# KiCad board Lime_RFE_fab.kicad_pcb (continued)
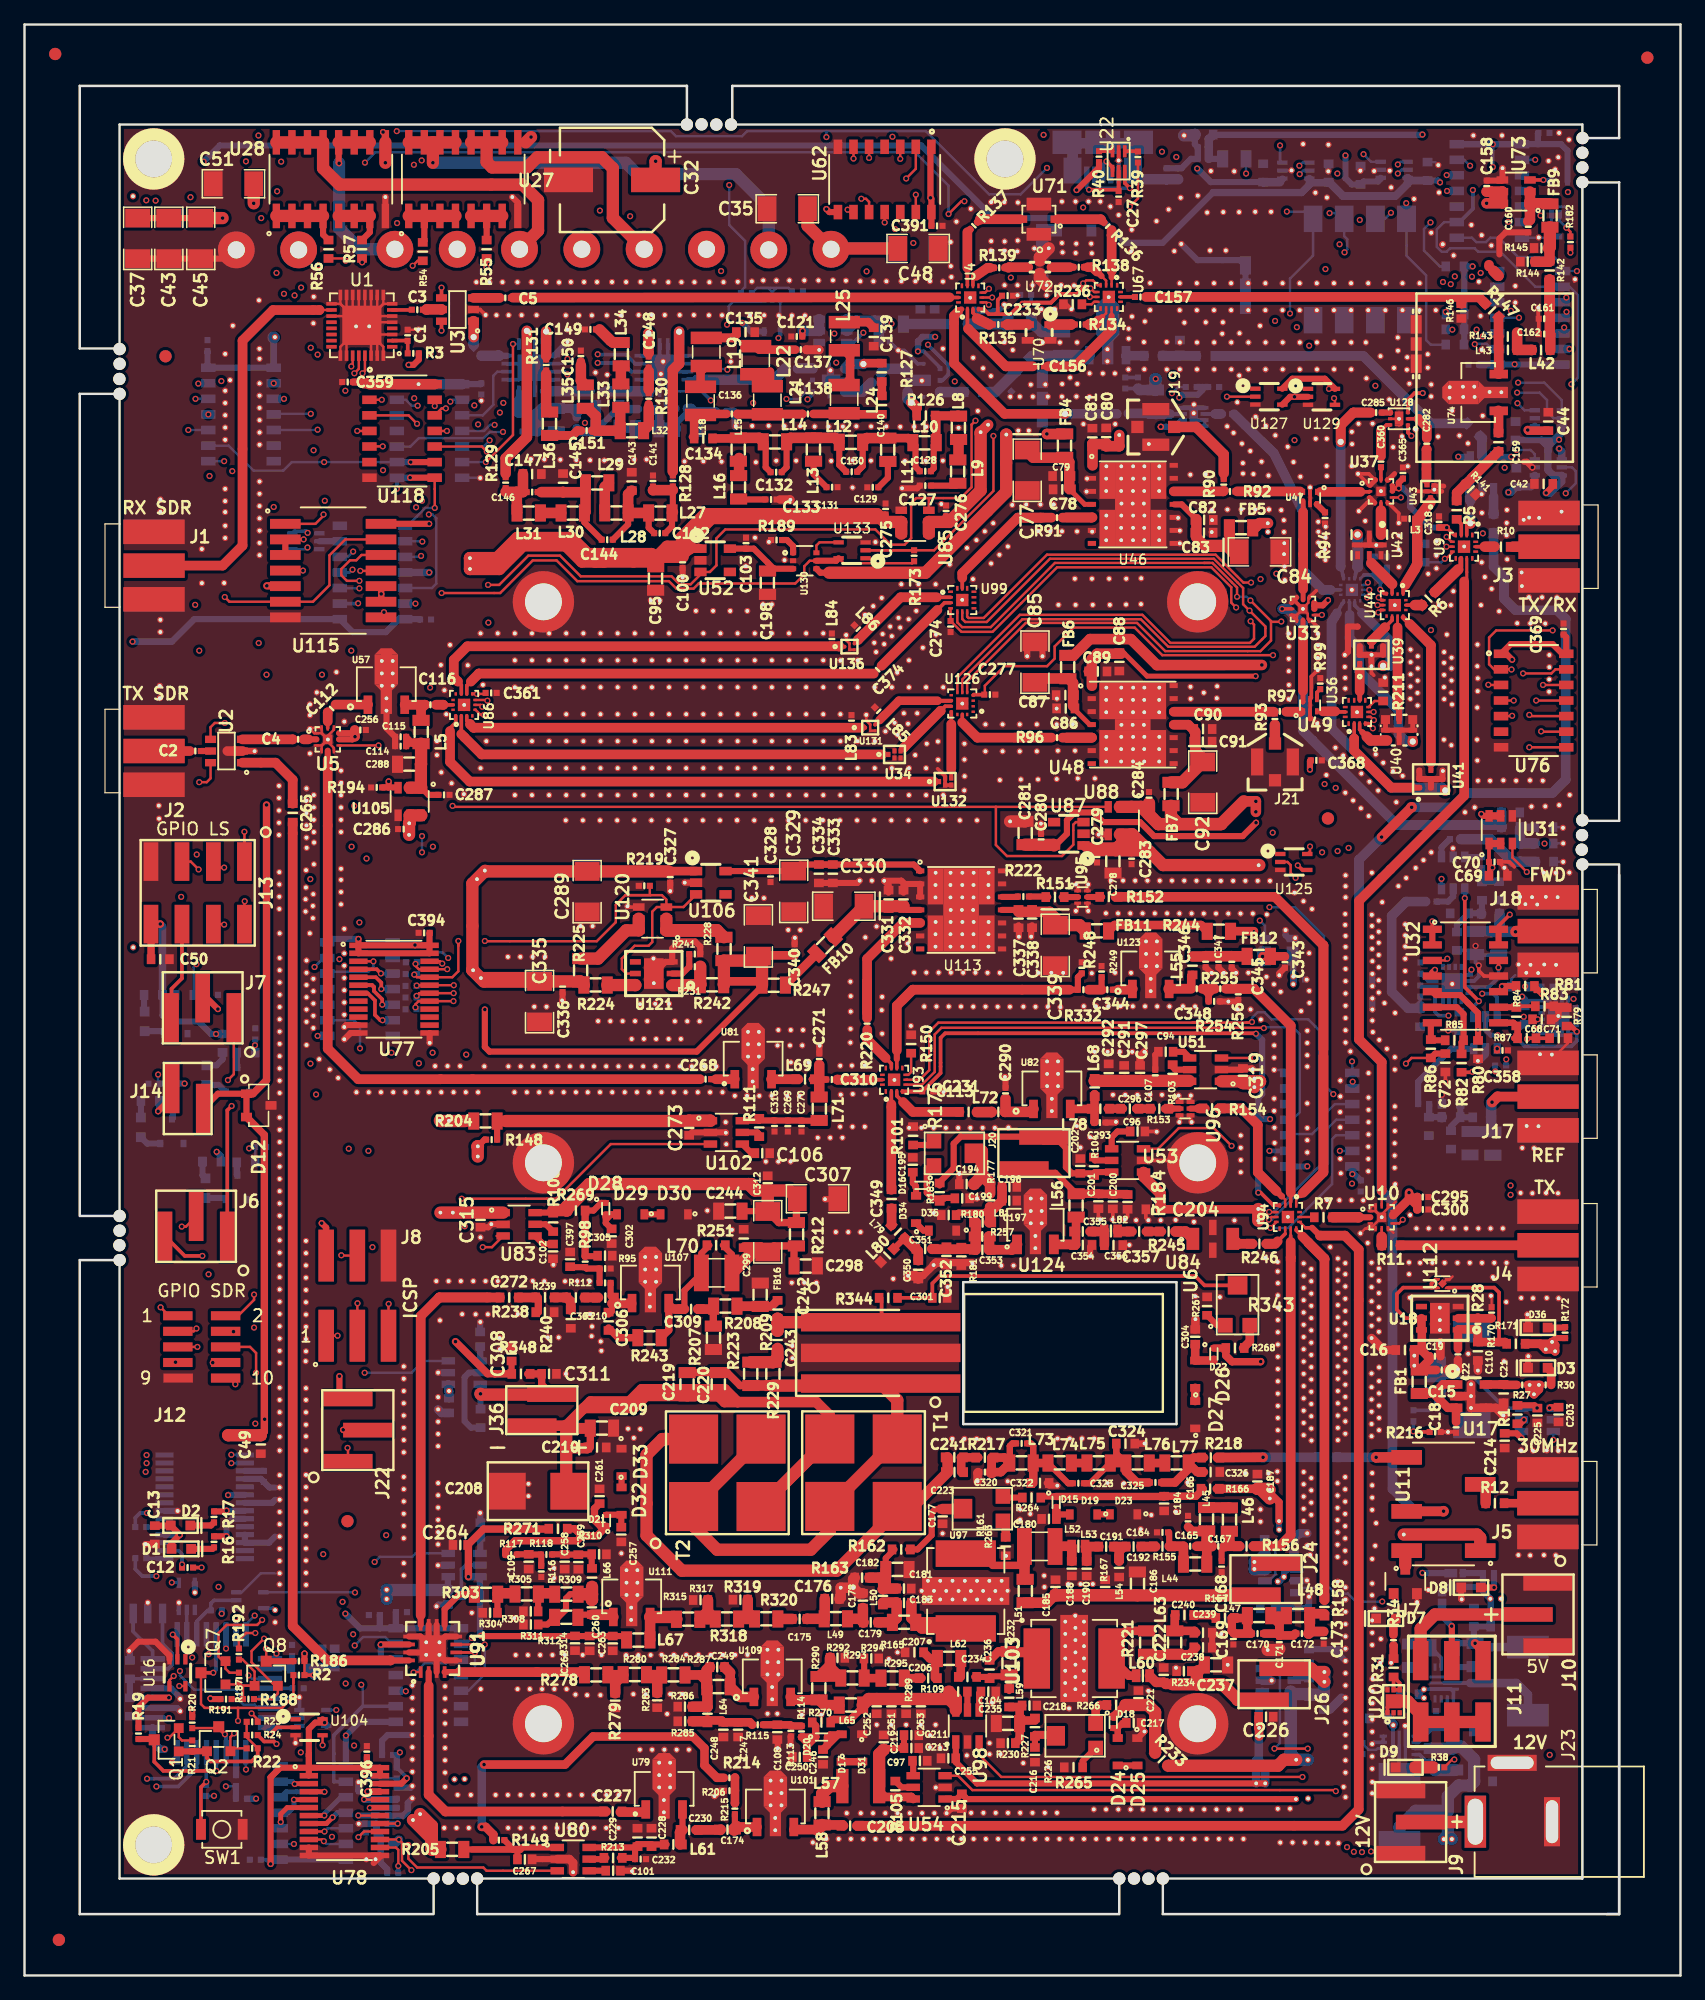
[diagram p0: board, top side]
## Placement (name value [footprint] x y rotation side) (continued)
GND_VIA#1960  VAL**  [GND_VIA]  109.89 23.18 0 top
GND_VIA#1961  VAL**  [GND_VIA]  109.89 22.18 0 top
GND_VIA#1962  VAL**  [GND_VIA]  109.89 24.18 0 top
GND_VIA#1963  VAL**  [GND_VIA]  112.06 126.87 90 top
GND_VIA#1964  VAL**  [GND_VIA]  32.02 71.98 90 top
GND_VIA#1965  VAL**  [GND_VIA]  31.06 71.98 90 top
GND_VIA#1966  VAL**  [GND_VIA]  30.06 71.98 90 top
GND_VIA#1967  VAL**  [GND_VIA]  28.06 71.98 90 top
GND_VIA#1968  VAL**  [GND_VIA]  29.06 71.98 90 top
GND_VIA#1969  VAL**  [GND_VIA]  27.06 71.98 90 top
GND_VIA#1970  VAL**  [GND_VIA]  24.88 73.83 90 top
GND_VIA#1971  VAL**  [GND_VIA]  25.57 73.15 90 top
GND_VIA#1972  VAL**  [GND_VIA]  24.02 74.67 90 top
GND_VIA#1973  VAL**  [GND_VIA]  23.55 77.21 0 top
GND_VIA#1974  VAL**  [GND_VIA]  23.55 78.21 0 top
GND_VIA#1975  VAL**  [GND_VIA]  23.55 79.21 0 top
GND_VIA#1976  VAL**  [GND_VIA]  23.55 80.21 0 top
GND_VIA#1977  VAL**  [GND_VIA]  23.55 81.23 0 top
GND_VIA#1978  VAL**  [GND_VIA]  23.59 90.56 0 top
GND_VIA#1979  VAL**  [GND_VIA]  23.54 88.12 0 top
GND_VIA#1980  VAL**  [GND_VIA]  23.58 96.2 0 top
GND_VIA#1981  VAL**  [GND_VIA]  23.58 95.2 0 top
GND_VIA#1982  VAL**  [GND_VIA]  23.58 94.19 0 top
GND_VIA#1983  VAL**  [GND_VIA]  23.6 92.34 0 top
GND_VIA#1984  VAL**  [GND_VIA]  23.58 93.19 0 top
GND_VIA#1985  VAL**  [GND_VIA]  23.51 87.16 0 top
GND_VIA#1986  VAL**  [GND_VIA]  23.51 86.16 0 top
GND_VIA#1987  VAL**  [GND_VIA]  96.3 134.73 0 top
GND_VIA#1988  VAL**  [GND_VIA]  97.69 134.73 0 top
GND_VIA#1989  VAL**  [GND_VIA]  100.73 134.45 0 top
GND_VIA#1990  VAL**  [GND_VIA]  97.64 133.8 0 top
GND_VIA#1991  VAL**  [GND_VIA]  94.56 134.7 0 top
GND_VIA#1992  VAL**  [GND_VIA]  99.05 133.84 0 top
GND_VIA#1993  VAL**  [GND_VIA]  99.03 130.39 0 top
GND_VIA#1994  VAL**  [GND_VIA]  110.54 131.97 90 top
GND_VIA#1995  VAL**  [GND_VIA]  118.12 149.96 90 top
GND_VIA#1996  VAL**  [GND_VIA]  120.45 149.96 90 top
GND_VIA#1997  VAL**  [GND_VIA]  125.91 149.61 90 top
GND_VIA#1998  VAL**  [GND_VIA]  124.79 147.19 90 top
GND_VIA#1999  VAL**  [GND_VIA]  125.04 148.18 90 top
GND_VIA#2000  VAL**  [GND_VIA]  106.3 149.21 90 top
GND_VIA#2001  VAL**  [GND_VIA]  104.23 149.26 90 top
GND_VIA#2002  VAL**  [GND_VIA]  105.24 145.3 90 top
GND_VIA#2003  VAL**  [GND_VIA]  106.18 144.9 90 top
GND_VIA#2004  VAL**  [GND_VIA]  111.41 145.73 90 top
GND_VIA#2005  VAL**  [GND_VIA]  113.28 144.78 90 top
GND_VIA#2006  VAL**  [GND_VIA]  95.65 145.05 90 top
GND_VIA#2007  VAL**  [GND_VIA]  97.73 143.71 90 top
GND_VIA#2008  VAL**  [GND_VIA]  99.02 143.71 90 top
GND_VIA#2009  VAL**  [GND_VIA]  98.38 133.09 0 top
GND_VIA#2010  VAL**  [GND_VIA]  98.38 130.89 0 top
GND_VIA#2011  VAL**  [GND_VIA]  96.98 130.89 0 top
GND_VIA#2012  VAL**  [GND_VIA]  96.98 133.09 0 top
GND_VIA#2013  VAL**  [GND_VIA]  94.19 133.09 0 top
GND_VIA#2014  VAL**  [GND_VIA]  94.19 130.89 0 top
GND_VIA#2015  VAL**  [GND_VIA]  95.59 130.89 0 top
GND_VIA#2016  VAL**  [GND_VIA]  95.59 133.09 0 top
GND_VIA#2017  VAL**  [GND_VIA]  90.02 133.4 0 top
GND_VIA#2018  VAL**  [GND_VIA]  90 130.89 0 top
GND_VIA#2019  VAL**  [GND_VIA]  88.89 130.57 0 top
GND_VIA#2020  VAL**  [GND_VIA]  90.01 134.21 0 top
GND_VIA#2021  VAL**  [GND_VIA]  91.29 130.9 0 top
GND_VIA#2022  VAL**  [GND_VIA]  93.12 130.89 0 top
GND_VIA#2023  VAL**  [GND_VIA]  91.26 133.12 0 top
GND_VIA#2024  VAL**  [GND_VIA]  84.41 133.09 0 top
GND_VIA#2025  VAL**  [GND_VIA]  80.36 128.67 0 top
GND_VIA#2026  VAL**  [GND_VIA]  85.24 130.23 0 top
GND_VIA#2027  VAL**  [GND_VIA]  83.01 133.09 0 top
GND_VIA#2028  VAL**  [GND_VIA]  85.81 133.09 0 top
GND_VIA#2029  VAL**  [GND_VIA]  87.91 130.56 0 top
GND_VIA#2030  VAL**  [GND_VIA]  86.83 130.57 0 top
GND_VIA#2031  VAL**  [GND_VIA]  91.34 134.8 0 top
GND_VIA#2032  VAL**  [GND_VIA]  108.16 130.89 0 top
GND_VIA#2033  VAL**  [GND_VIA]  108.16 133.09 0 top
GND_VIA#2034  VAL**  [GND_VIA]  105.36 133.09 0 top
GND_VIA#2035  VAL**  [GND_VIA]  105.36 130.89 0 top
GND_VIA#2036  VAL**  [GND_VIA]  106.76 130.89 0 top
GND_VIA#2037  VAL**  [GND_VIA]  106.76 133.09 0 top
GND_VIA#2038  VAL**  [GND_VIA]  101.17 133.09 0 top
GND_VIA#2039  VAL**  [GND_VIA]  101.17 130.89 0 top
GND_VIA#2040  VAL**  [GND_VIA]  99.78 130.89 0 top
GND_VIA#2041  VAL**  [GND_VIA]  99.78 133.09 0 top
GND_VIA#2042  VAL**  [GND_VIA]  102.57 133.09 0 top
GND_VIA#2043  VAL**  [GND_VIA]  102.57 130.89 0 top
GND_VIA#2044  VAL**  [GND_VIA]  103.97 130.89 0 top
GND_VIA#2045  VAL**  [GND_VIA]  103.97 133.09 0 top
GND_VIA#2046  VAL**  [GND_VIA]  101.62 143.74 90 top
GND_VIA#2047  VAL**  [GND_VIA]  100.33 143.74 90 top
GND_VIA#2048  VAL**  [GND_VIA]  96.41 143.68 90 top
GND_VIA#2049  VAL**  [GND_VIA]  97.94 140.58 90 top
GND_VIA#2050  VAL**  [GND_VIA]  96.65 140.58 90 top
GND_VIA#2051  VAL**  [GND_VIA]  49.77 77.78 90 top
GND_VIA#2052  VAL**  [GND_VIA]  50.77 77.78 90 top
GND_VIA#2053  VAL**  [GND_VIA]  48.76 77.78 90 top
GND_VIA#2054  VAL**  [GND_VIA]  46.76 77.78 90 top
GND_VIA#2055  VAL**  [GND_VIA]  47.76 77.78 90 top
GND_VIA#2056  VAL**  [GND_VIA]  50.5 76.32 90 top
GND_VIA#2057  VAL**  [GND_VIA]  49.5 76.32 90 top
GND_VIA#2058  VAL**  [GND_VIA]  51.5 76.32 90 top
GND_VIA#2059  VAL**  [GND_VIA]  53.51 76.32 90 top
GND_VIA#2060  VAL**  [GND_VIA]  52.51 76.32 90 top
GND_VIA#2061  VAL**  [GND_VIA]  54.03 77.77 90 top
GND_VIA#2062  VAL**  [GND_VIA]  55.03 77.77 90 top
GND_VIA#2063  VAL**  [GND_VIA]  53.02 77.77 90 top
GND_VIA#2064  VAL**  [GND_VIA]  61.45 77.06 90 top
GND_VIA#2065  VAL**  [GND_VIA]  63.47 77.06 90 top
GND_VIA#2066  VAL**  [GND_VIA]  62.47 77.06 90 top
GND_VIA#2067  VAL**  [GND_VIA]  62.4 75.8 90 top
GND_VIA#2068  VAL**  [GND_VIA]  63.4 75.8 90 top
GND_VIA#2069  VAL**  [GND_VIA]  61.39 75.8 90 top
GND_VIA#2070  VAL**  [GND_VIA]  66.49 69.17 90 top
GND_VIA#2071  VAL**  [GND_VIA]  68.5 69.17 90 top
GND_VIA#2072  VAL**  [GND_VIA]  67.5 69.17 90 top
GND_VIA#2073  VAL**  [GND_VIA]  65.68 68.28 90 top
GND_VIA#2074  VAL**  [GND_VIA]  66.68 68.28 90 top
GND_VIA#2075  VAL**  [GND_VIA]  64.67 68.28 90 top
GND_VIA#2076  VAL**  [GND_VIA]  60.44 66.33 90 top
GND_VIA#2077  VAL**  [GND_VIA]  62.45 66.33 90 top
GND_VIA#2078  VAL**  [GND_VIA]  61.45 66.33 90 top
GND_VIA#2079  VAL**  [GND_VIA]  67.15 60.59 90 top
GND_VIA#2080  VAL**  [GND_VIA]  68.15 60.59 90 top
GND_VIA#2081  VAL**  [GND_VIA]  66.14 60.59 90 top
GND_VIA#2082  VAL**  [GND_VIA]  62.55 56.46 90 top
GND_VIA#2083  VAL**  [GND_VIA]  64.56 56.46 90 top
GND_VIA#2084  VAL**  [GND_VIA]  63.56 56.46 90 top
GND_VIA#2085  VAL**  [GND_VIA]  80.63 57.85 90 top
GND_VIA#2086  VAL**  [GND_VIA]  79.63 57.85 90 top
GND_VIA#2087  VAL**  [GND_VIA]  98.64 61.54 0 top
GND_VIA#2088  VAL**  [GND_VIA]  95.33 61.42 0 top
GND_VIA#2089  VAL**  [GND_VIA]  93.84 61.57 0 top
GND_VIA#2090  VAL**  [GND_VIA]  89.82 113.84 0 top
GND_VIA#2091  VAL**  [GND_VIA]  85.63 113.84 0 top
GND_VIA#2092  VAL**  [GND_VIA]  87.02 113.84 0 top
GND_VIA#2093  VAL**  [GND_VIA]  88.42 113.84 0 top
GND_VIA#2094  VAL**  [GND_VIA]  87.08 111.7 0 top
GND_VIA#2095  VAL**  [GND_VIA]  85.69 111.7 0 top
GND_VIA#2096  VAL**  [GND_VIA]  84.29 111.7 0 top
GND_VIA#2097  VAL**  [GND_VIA]  88.48 111.7 0 top
GND_VIA#2098  VAL**  [GND_VIA]  91.04 113.87 0 top
GND_VIA#2099  VAL**  [GND_VIA]  91.02 111.76 0 top
GND_VIA#2100  VAL**  [GND_VIA]  95.06 105.03 0 top
GND_VIA#2101  VAL**  [GND_VIA]  95.07 104.05 0 top
GND_VIA#2102  VAL**  [GND_VIA]  97.23 105.06 0 top
GND_VIA#2103  VAL**  [GND_VIA]  97.2 104.09 0 top
GND_VIA#2104  VAL**  [GND_VIA]  85.86 97.56 0 top
GND_VIA#2105  VAL**  [GND_VIA]  87.26 97.56 0 top
GND_VIA#2106  VAL**  [GND_VIA]  84.15 97.51 0 top
GND_VIA#2107  VAL**  [GND_VIA]  79.51 97.42 0 top
GND_VIA#2108  VAL**  [GND_VIA]  82.62 97.48 0 top
GND_VIA#2109  VAL**  [GND_VIA]  81.23 97.48 0 top
GND_VIA#2110  VAL**  [GND_VIA]  58.09 94.15 0 top
GND_VIA#2111  VAL**  [GND_VIA]  58.09 94.14 0 top
GND_VIA#2112  VAL**  [GND_VIA]  56.7 94.14 0 top
GND_VIA#2113  VAL**  [GND_VIA]  55.3 94.14 0 top
GND_VIA#2114  VAL**  [GND_VIA]  53.9 94.14 0 top
GND_VIA#2115  VAL**  [GND_VIA]  48.31 94.14 0 top
GND_VIA#2116  VAL**  [GND_VIA]  49.71 94.14 0 top
GND_VIA#2117  VAL**  [GND_VIA]  51.11 94.14 0 top
GND_VIA#2118  VAL**  [GND_VIA]  52.5 94.14 0 top
GND_VIA#2119  VAL**  [GND_VIA]  44.12 94.14 0 top
GND_VIA#2120  VAL**  [GND_VIA]  45.52 94.14 0 top
GND_VIA#2121  VAL**  [GND_VIA]  46.92 94.14 0 top
GND_VIA#2122  VAL**  [GND_VIA]  69.27 94.14 0 top
GND_VIA#2123  VAL**  [GND_VIA]  67.87 94.14 0 top
GND_VIA#2124  VAL**  [GND_VIA]  66.47 94.14 0 top
GND_VIA#2125  VAL**  [GND_VIA]  65.08 94.14 0 top
GND_VIA#2126  VAL**  [GND_VIA]  59.49 94.14 0 top
GND_VIA#2127  VAL**  [GND_VIA]  60.89 94.14 0 top
GND_VIA#2128  VAL**  [GND_VIA]  62.28 94.14 0 top
GND_VIA#2129  VAL**  [GND_VIA]  63.68 94.14 0 top
GND_VIA#2130  VAL**  [GND_VIA]  74.86 94.14 0 top
GND_VIA#2131  VAL**  [GND_VIA]  73.46 94.14 0 top
GND_VIA#2132  VAL**  [GND_VIA]  72.06 94.14 0 top
GND_VIA#2133  VAL**  [GND_VIA]  70.67 94.14 0 top
GND_VIA#2134  VAL**  [GND_VIA]  76.25 94.14 0 top
GND_VIA#2135  VAL**  [GND_VIA]  77.65 94.14 0 top
GND_VIA#2136  VAL**  [GND_VIA]  56.13 111.21 0 top
GND_VIA#2137  VAL**  [GND_VIA]  54.73 111.21 0 top
GND_VIA#2138  VAL**  [GND_VIA]  58.93 111.21 0 top
GND_VIA#2139  VAL**  [GND_VIA]  57.53 111.21 0 top
GND_VIA#2140  VAL**  [GND_VIA]  108.19 123.01 0 top
GND_VIA#2141  VAL**  [GND_VIA]  112.76 123 0 top
GND_VIA#2142  VAL**  [GND_VIA]  105.43 115.79 0 top
GND_VIA#2143  VAL**  [GND_VIA]  105.47 116.78 0 top
GND_VIA#2144  VAL**  [GND_VIA]  105.48 117.66 0 top
GND_VIA#2145  VAL**  [GND_VIA]  106.05 115.35 0 top
GND_VIA#2146  VAL**  [GND_VIA]  105.47 118.48 0 top
GND_VIA#2147  VAL**  [GND_VIA]  114.44 114.23 0 top
GND_VIA#2148  VAL**  [GND_VIA]  116.48 112.81 0 top
GND_VIA#2149  VAL**  [GND_VIA]  115.31 111.67 0 top
GND_VIA#2150  VAL**  [GND_VIA]  109.81 106.7 0 top
GND_VIA#2151  VAL**  [GND_VIA]  116.32 100.26 0 top
GND_VIA#2152  VAL**  [GND_VIA]  116.38 103.59 0 top
GND_VIA#2153  VAL**  [GND_VIA]  116.34 106.53 0 top
GND_VIA#2154  VAL**  [GND_VIA]  116.34 105.54 0 top
GND_VIA#2155  VAL**  [GND_VIA]  116.33 104.54 0 top
GND_VIA#2156  VAL**  [GND_VIA]  112.35 97.76 180 top
GND_VIA#2157  VAL**  [GND_VIA]  110.35 96.57 180 top
GND_VIA#2158  VAL**  [GND_VIA]  111.84 95.62 180 top
GND_VIA#2159  VAL**  [GND_VIA]  116.34 107.4 0 top
GND_VIA#2160  VAL**  [GND_VIA]  115.73 107.86 0 top
GND_VIA#2161  VAL**  [GND_VIA]  119.48 97.37 180 top
GND_VIA#2162  VAL**  [GND_VIA]  122.76 110.19 0 top
GND_VIA#2163  VAL**  [GND_VIA]  121.69 110.21 0 top
GND_VIA#2164  VAL**  [GND_VIA]  123.98 110.18 0 top
GND_VIA#2165  VAL**  [GND_VIA]  120.22 111.18 0 top
GND_VIA#2166  VAL**  [GND_VIA]  120.86 119.44 0 top
GND_VIA#2167  VAL**  [GND_VIA]  120.84 118.38 0 top
GND_VIA#2168  VAL**  [GND_VIA]  120.83 117.37 0 top
GND_VIA#2169  VAL**  [GND_VIA]  120.87 115.41 0 top
GND_VIA#2170  VAL**  [GND_VIA]  118.81 119.2 0 top
GND_VIA#2171  VAL**  [GND_VIA]  118.79 115.16 0 top
GND_VIA#2172  VAL**  [GND_VIA]  122.08 113.23 0 top
GND_VIA#2173  VAL**  [GND_VIA]  112.9 129.73 90 top
GND_VIA#2174  VAL**  [GND_VIA]  114.68 129.66 90 top
GND_VIA#2175  VAL**  [GND_VIA]  114.67 128.69 90 top
GND_VIA#2176  VAL**  [GND_VIA]  112.7 130.87 90 top
GND_VIA#2177  VAL**  [GND_VIA]  112.72 131.88 90 top
GND_VIA#2178  VAL**  [GND_VIA]  114.39 132.13 90 top
GND_VIA#2179  VAL**  [GND_VIA]  114.4 131.03 90 top
GND_VIA#2180  VAL**  [GND_VIA]  102.98 124.59 0 top
GND_VIA#2181  VAL**  [GND_VIA]  106.16 125.24 0 top
GND_VIA#2182  VAL**  [GND_VIA]  106.15 123.02 0 top
GND_VIA#2183  VAL**  [GND_VIA]  108.23 124.81 0 top
GND_VIA#2184  VAL**  [GND_VIA]  22.95 31.83 0 top
GND_VIA#2185  VAL**  [GND_VIA]  20.8 31.87 0 top
GND_VIA#2186  VAL**  [GND_VIA]  109.3 118.54 0 top
GND_VIA#2187  VAL**  [GND_VIA]  101.2 126.29 0 top
GND_VIA#2188  VAL**  [GND_VIA]  100.36 127.03 0 top
GND_VIA#2189  VAL**  [GND_VIA]  98.87 128.21 0 top
GND_VIA#2190  VAL**  [GND_VIA]  103.45 123.34 0 top
GND_VIA#2191  VAL**  [GND_VIA]  105.27 125.24 0 top
GND_VIA#2192  VAL**  [GND_VIA]  109.4 130.17 90 top
GND_VIA#2193  VAL**  [GND_VIA]  111.26 128.44 90 top
GND_VIA#2194  VAL**  [GND_VIA]  116.39 127.53 90 top
GND_VIA#2195  VAL**  [GND_VIA]  116.98 125.5 90 top
GND_VIA#2196  VAL**  [GND_VIA]  115.24 125.42 90 top
GND_VIA#2197  VAL**  [GND_VIA]  113.4 125.99 90 top
GND_VIA#2198  VAL**  [GND_VIA]  103.06 104.02 0 top
GND_VIA#2199  VAL**  [GND_VIA]  103.08 105.17 0 top
GND_VIA#2200  VAL**  [GND_VIA]  105.45 108.41 0 top
GND_VIA#2201  VAL**  [GND_VIA]  110.9 105.78 0 top
GND_VIA#2202  VAL**  [GND_VIA]  106.87 100.07 90 top
GND_VIA#2203  VAL**  [GND_VIA]  107.51 99.43 90 top
GND_VIA#2204  VAL**  [GND_VIA]  108.98 97.96 90 top
GND_VIA#2205  VAL**  [GND_VIA]  109.64 97.29 90 top
GND_VIA#2206  VAL**  [GND_VIA]  111.56 98.15 90 top
GND_VIA#2207  VAL**  [GND_VIA]  110.77 98.84 90 top
GND_VIA#2208  VAL**  [GND_VIA]  110.16 99.52 90 top
GND_VIA#2209  VAL**  [GND_VIA]  109.84 89.88 0 top
GND_VIA#2210  VAL**  [GND_VIA]  107.7 89.66 0 top
GND_VIA#2211  VAL**  [GND_VIA]  107.7 88.77 0 top
GND_VIA#2212  VAL**  [GND_VIA]  107.7 87.87 0 top
GND_VIA#2213  VAL**  [GND_VIA]  107.67 86.51 0 top
GND_VIA#2214  VAL**  [GND_VIA]  107.67 85.62 0 top
GND_VIA#2215  VAL**  [GND_VIA]  117.68 124.86 90 top
GND_VIA#2216  VAL**  [GND_VIA]  93.11 133.13 0 top
GND_VIA#2217  VAL**  [GND_VIA]  111.74 64.49 0 bottom
GND_VIA#2218  VAL**  [GND_VIA]  111.7 65.82 0 bottom
GND_VIA#2219  VAL**  [GND_VIA]  111.7 67.82 0 bottom
GND_VIA#2220  VAL**  [GND_VIA]  111.7 66.82 0 bottom
GND_VIA#2221  VAL**  [GND_VIA]  79.93 73.23 0 bottom
GND_VIA#2222  VAL**  [GND_VIA]  69.88 78.67 0 bottom
GND_VIA#2223  VAL**  [GND_VIA]  69.92 76.76 0 bottom
GND_VIA#2224  VAL**  [GND_VIA]  69.92 79.76 0 bottom
GND_VIA#2225  VAL**  [GND_VIA]  70.92 72.98 0 bottom
GND_VIA#2226  VAL**  [GND_VIA]  59.87 75.89 0 bottom
GND_VIA#2227  VAL**  [GND_VIA]  59.87 74.89 0 bottom
GND_VIA#2228  VAL**  [GND_VIA]  59.36 73.86 0 bottom
GND_VIA#2229  VAL**  [GND_VIA]  59.36 72.86 0 bottom
GND_VIA#2230  VAL**  [GND_VIA]  58.98 74.89 0 bottom
GND_VIA#2231  VAL**  [GND_VIA]  58.98 75.89 0 bottom
GND_VIA#2232  VAL**  [GND_VIA]  58.98 76.91 0 bottom
GND_VIA#2233  VAL**  [GND_VIA]  59.87 76.91 0 bottom
GND_VIA#2234  VAL**  [GND_VIA]  92.32 84.27 0 bottom
GND_VIA#2235  VAL**  [GND_VIA]  91.43 84.27 0 bottom
GND_VIA#2236  VAL**  [GND_VIA]  91.43 83.26 0 bottom
GND_VIA#2237  VAL**  [GND_VIA]  91.43 82.26 0 bottom
GND_VIA#2238  VAL**  [GND_VIA]  91.81 80.22 0 bottom
GND_VIA#2239  VAL**  [GND_VIA]  91.81 81.22 0 bottom
GND_VIA#2240  VAL**  [GND_VIA]  92.32 82.26 0 bottom
GND_VIA#2241  VAL**  [GND_VIA]  92.32 83.26 0 bottom
GND_VIA#2242  VAL**  [GND_VIA]  84.25 73.48 0 bottom
GND_VIA#2243  VAL**  [GND_VIA]  84.25 72.48 0 bottom
GND_VIA#2244  VAL**  [GND_VIA]  83.75 71.44 0 bottom
GND_VIA#2245  VAL**  [GND_VIA]  83.75 70.44 0 bottom
GND_VIA#2246  VAL**  [GND_VIA]  83.37 72.48 0 bottom
GND_VIA#2247  VAL**  [GND_VIA]  83.37 73.48 0 bottom
GND_VIA#2248  VAL**  [GND_VIA]  83.37 74.49 0 bottom
GND_VIA#2249  VAL**  [GND_VIA]  84.25 74.49 0 bottom
GND_VIA#2250  VAL**  [GND_VIA]  64.82 75.78 0 bottom
GND_VIA#2251  VAL**  [GND_VIA]  52.63 16.33 0 bottom
GND_VIA#2252  VAL**  [GND_VIA]  52.63 15.33 0 bottom
GND_VIA#2253  VAL**  [GND_VIA]  52.12 14.29 0 bottom
GND_VIA#2254  VAL**  [GND_VIA]  52.12 13.29 0 bottom
GND_VIA#2255  VAL**  [GND_VIA]  51.74 15.33 0 bottom
GND_VIA#2256  VAL**  [GND_VIA]  51.74 16.33 0 bottom
GND_VIA#2257  VAL**  [GND_VIA]  51.74 17.34 0 bottom
GND_VIA#2258  VAL**  [GND_VIA]  52.63 17.34 0 bottom
GND_VIA#2259  VAL**  [GND_VIA]  61.71 15.88 0 bottom
GND_VIA#2260  VAL**  [GND_VIA]  60.82 15.88 0 bottom
GND_VIA#2261  VAL**  [GND_VIA]  60.82 14.87 0 bottom
GND_VIA#2262  VAL**  [GND_VIA]  60.82 13.87 0 bottom
GND_VIA#2263  VAL**  [GND_VIA]  61.2 11.83 0 bottom
GND_VIA#2264  VAL**  [GND_VIA]  61.2 12.83 0 bottom
GND_VIA#2265  VAL**  [GND_VIA]  61.71 13.87 0 bottom
GND_VIA#2266  VAL**  [GND_VIA]  61.71 14.87 0 bottom
GND_VIA#2267  VAL**  [GND_VIA]  56.25 14.61 0 bottom
GND_VIA#2268  VAL**  [GND_VIA]  61.46 25.53 0 bottom
GND_VIA#2269  VAL**  [GND_VIA]  61.46 24.53 0 bottom
GND_VIA#2270  VAL**  [GND_VIA]  60.95 23.5 0 bottom
GND_VIA#2271  VAL**  [GND_VIA]  60.95 22.5 0 bottom
GND_VIA#2272  VAL**  [GND_VIA]  60.57 24.53 0 bottom
GND_VIA#2273  VAL**  [GND_VIA]  60.57 25.53 0 bottom
GND_VIA#2274  VAL**  [GND_VIA]  60.57 26.55 0 bottom
GND_VIA#2275  VAL**  [GND_VIA]  61.46 26.55 0 bottom
GND_VIA#2276  VAL**  [GND_VIA]  49.96 33.03 0 bottom
GND_VIA#2277  VAL**  [GND_VIA]  49.08 33.03 0 bottom
GND_VIA#2278  VAL**  [GND_VIA]  49.08 32.01 0 bottom
GND_VIA#2279  VAL**  [GND_VIA]  49.08 31.01 0 bottom
GND_VIA#2280  VAL**  [GND_VIA]  49.46 28.98 0 bottom
GND_VIA#2281  VAL**  [GND_VIA]  49.46 29.98 0 bottom
GND_VIA#2282  VAL**  [GND_VIA]  49.96 31.01 0 bottom
GND_VIA#2283  VAL**  [GND_VIA]  49.96 32.01 0 bottom
GND_VIA#2284  VAL**  [GND_VIA]  51.49 57.54 0 bottom
GND_VIA#2285  VAL**  [GND_VIA]  51.49 56.54 0 bottom
GND_VIA#2286  VAL**  [GND_VIA]  50.98 55.51 0 bottom
GND_VIA#2287  VAL**  [GND_VIA]  50.98 54.51 0 bottom
GND_VIA#2288  VAL**  [GND_VIA]  50.6 56.54 0 bottom
GND_VIA#2289  VAL**  [GND_VIA]  50.6 57.54 0 bottom
GND_VIA#2290  VAL**  [GND_VIA]  50.6 58.55 0 bottom
GND_VIA#2291  VAL**  [GND_VIA]  51.49 58.55 0 bottom
GND_VIA#2292  VAL**  [GND_VIA]  82.92 63.32 0 bottom
GND_VIA#2293  VAL**  [GND_VIA]  82.03 63.32 0 bottom
GND_VIA#2294  VAL**  [GND_VIA]  82.03 62.3 0 bottom
GND_VIA#2295  VAL**  [GND_VIA]  82.03 61.3 0 bottom
GND_VIA#2296  VAL**  [GND_VIA]  82.41 59.27 0 bottom
GND_VIA#2297  VAL**  [GND_VIA]  82.41 60.27 0 bottom
GND_VIA#2298  VAL**  [GND_VIA]  82.92 61.3 0 bottom
GND_VIA#2299  VAL**  [GND_VIA]  82.92 62.3 0 bottom
GND_VIA#2300  VAL**  [GND_VIA]  109.55 66.54 0 bottom
GND_VIA#2301  VAL**  [GND_VIA]  109.55 67.54 0 bottom
GND_VIA#2302  VAL**  [GND_VIA]  109.55 65.54 0 bottom
GND_VIA#2303  VAL**  [GND_VIA]  30.01 106.12 0 bottom
GND_VIA#2304  VAL**  [GND_VIA]  30.01 105.12 0 bottom
GND_VIA#2305  VAL**  [GND_VIA]  29.5 104.08 0 bottom
GND_VIA#2306  VAL**  [GND_VIA]  29.5 103.08 0 bottom
GND_VIA#2307  VAL**  [GND_VIA]  29.12 105.12 0 bottom
GND_VIA#2308  VAL**  [GND_VIA]  29.12 106.12 0 bottom
GND_VIA#2309  VAL**  [GND_VIA]  29.12 107.13 0 bottom
GND_VIA#2310  VAL**  [GND_VIA]  30.01 107.13 0 bottom
GND_VIA#2311  VAL**  [GND_VIA]  74.92 71.99 0 bottom
IC1  -  [ADL5513]  116.39 80.8 0 bottom
IC2  -  [ADL5513]  125.08 78.18 270 bottom
J1  SMA_H_v3  [SMA_v2]  10.56 114.91 180 top
J2  SMA_H_v3  [SMA_v2]  10.56 99.79 180 top
J3  SMA_H_v3  [SMA_v2]  124.28 116.44 0 top
J4  SMA_H_v3  [SMA_v2]  124.2 59.51 0 top
J5  SMA_H_v3  [SMA_v2]  124.19 38.49 0 top
J6  -  [M20-8770342]  13.99 61.06 0 top
J7  -  [M20-8770342]  14.52 78.86 0 top
J8  -  [54202-G3003LF]  27.13 55.41 0 top
J9  -  [M20-8770342]  113 12.5 270 top
J10  -  [M20-8770342]  123.39 29.42 90 top
J11  0015912060  [PINHEADER_2X3]  116.32 23.08 270 top
J12  PIN_HEADER_2x5  [PIN_HEADER_2X5]  14.45 51.23 0 top
J13  -  [M20-8750442]  14.11 88.23 270 top
J14  -  [TSM-102-02-T-SV]  13.3 71.47 0 top
J15  Screw_Terminal_1x02  [CONN_1757242]  19.8 140.64 0 bottom
J16  Screw_Terminal_1x08  [CONN_1757307]  47.97 140.69 0 bottom
J17  SMA_H_v3  [SMA_v2]  124.21 71.63 0 top
J18  SMA_H_v3  [SMA_v2]  124.22 85.11 0 top
J19  -  [UMC_SMD]  92.22 126.2 90 top
J20  -  [TSM-102-02-T-SV]  82.29 67.03 90 top
J21  -  [UMC_SMD]  101.94 98.9 180 top
J22  -  [M20-8770342]  27.17 44.45 270 top
J23  -  [RAPC712X]  124.53 12.53 90 top
J24  -  [TSM-102-02-T-SV]  101.21 32.3 90 top
J26  -  [TSM-102-02-T-SV]  101.87 23.73 90 top
J36  -  [TSM-102-02-T-SV]  42.17 46.07 90 top
L1  -  [SPM6530T-2R2M]  122.56 23.99 270 bottom
L2  -  [SPM6530T-2R2M]  112.1 13.62 90 bottom
L3  10nH_0402_Murata  [SMD0402]  112.92 118.73 180 top
L4  18nH_0603_Murata  [SMD0805]  92.19 128.26 270 bottom
L5  82nH_0805_Murata  [SMD0805]  32.33 101.34 90 top
L6  10u_0805  [SMD0805]  81.12 134.77 0 bottom
L7  10u_0805  [SMD0805]  84.55 132.99 270 bottom
L8  180nH_0805  [SMD0805]  76.14 126.13 270 top
L9  12nH_0805  [SMD0805]  76.08 122.56 270 top
L10  47nH_0805  [SMD0805]  73.37 124.92 0 top
L11  100nH_0805  [SMD0805]  70.38 124.34 270 top
L12  56nH_0805  [SMD0805]  67.37 124.96 0 top
L13  100nH_0805  [SMD0805]  64.32 124.36 270 top
L14  47nH_0805  [SMD0805]  61.17 124.99 0 top
L15  180nH_0805  [SMD0805]  58.19 124.36 270 top
L16  12nH_0805  [SMD0805]  58.21 121.28 270 top
L18  1.8uH_1008  [SMD1008_inductor]  55.11 128.33 90 top
L19  2.2uH_1008  [SMD1008_inductor]  55.58 132.32 90 top
L21  1.8uH_1008  [SMD1008_inductor]  60.56 128.38 90 top
L22  2.2uH_1008  [SMD1008_inductor]  59.61 131.64 90 top
L24  1.8uH_1008  [SMD1008_inductor]  66.82 128.47 90 top
L25  1.2uH_1008  [SMD1008_inductor]  66.83 133.6 90 top
L27  330nH_0805  [SMD0805]  51.83 119.19 0 top
L28  220nH_0805  [SMD0805]  48.25 119.2 0 top
L29  120nH_0805  [SMD0805]  46.68 121.65 0 top
L30  220nH_0805  [SMD0805]  44.69 119.19 0 top
L31  150nH_0805  [SMD0805]  41.1 119.19 0 top
L32  330nH_0805  [SMD0805]  49.51 125.9 0 top
L33  39nH_0805  [SMD0805]  48.61 128.75 90 top
L34  12nH_0805  [SMD0805]  48.64 132.13 90 top
L35  27nH_0805  [SMD0805]  45.71 128.67 90 top
L36  330nH_0805  [SMD0805]  42.8 126.46 270 top
L37  3.9nH_0805  [SMD0805]  53.97 126.08 0 bottom
L38  39nH_0805  [SMD0805]  50.77 126.06 0 bottom
L39  12nH_0805  [SMD0805]  47.52 126.11 0 bottom
L40  22nH_0805  [SMD0805]  47.52 127.71 0 bottom
L41  3.9nH_0805  [SMD0805]  43.35 126.76 270 bottom
L42  56N_0402  [SMD0603]  123.63 132.47 180 top
L43  270N_0402  [SMD0603]  120.93 132.48 180 top
L44  27nH_0805  [SMD0805]  95.43 33.52 180 top
L45  22nH_0805  [SMD0805]  96.37 37.18 270 top
L46  18nH_0805  [SMD0805]  98.22 37.16 90 top
L47  20nH_0805  [SMD0805]  100.65 29.33 180 top
L48  15nH_0805  [SMD0805]  103.82 29.33 180 top
L49  68nH_0805  [SMD0805]  66.14 29.07 180 top
L50  27nH_0603  [SMD0603]  69.98 30.94 270 top
L51  78nH_0805  [SMD0805]  81.57 31.33 90 top
L52  12nH_1008  [SMD1008]  82.76 34.96 180 top
L53  1.15nH_0604  [SMD0604]  85.92 34.98 180 top
L54  68nH_0603  [SMD0603]  89.24 33.22 270 top
L55  25nH_0402_LQW15AN25NJ80D  [SMD0603]  95.22 82.3 270 top
L56  78nH_0805  [SMD0805]  85.74 62.76 270 top
L57  33uH_1210_CBC3225T330KR  [SMD1210]  68.17 15.43 180 top
L58  78nH_0805  [SMD0805]  65.02 13.22 270 top
L59  27nH_0603  [SMD0603]  80.27 22.63 90 top
L60  4.5nH_0604  [SMD0604]  91.17 24.43 180 top
L61  500nH_0402_LQW15CAR50K00D  [SMD0603]  52.89 10.68 0 top
L62  5.6nH_0805_HQ  [SMD0805]  75.37 25.83 180 top
L63  3.9nH_0805_HT  [SMD0805]  93.77 27.13 270 top
L64  27nH_0603  [SMD0603]  55.67 21.33 90 top
L65  78nH_0805  [SMD0805]  67.37 22.03 180 top
L66  27nH_0603  [SMD0603]  46.26 32.43 270 top
L67  78nH_0805  [SMD0805]  50.04 27.35 0 top
L68  25nH_0402_LQW15AN25NJ80D  [SMD0603]  87.24 72.37 270 top
L69  780pH_0402_0402PA-0N8XJLW  [SMD0603]  63.63 73.04 180 top
L70  18uF_1008_LS  [SMD1008]  56.43 57.26 180 top
L71  18nH_0603_LQW18AN18NG00D  [SMD0805]  64.78 70.64 90 top
L72  5.1nH_0402_LQW15AN25NJ80D  [SMD0603]  79.39 70.38 180 top
L73  330nH_0805  [SMD0805]  81.28 41.76 180 top
L74  220nH_0805  [SMD0805]  84.39 41.76 180 top
L75  120nH_0805  [SMD0805]  87.56 41.76 180 top
L76  220nH_0805  [SMD0805]  90.74 41.76 180 top
L77  150nH_0805  [SMD0805]  93.91 41.76 180 top
L78  3nH_0402_LQW15AN3N0B80D  [SMD0603]  87.7 70.64 180 top
L79  6.8nH_0603_LQW  [SMD0603]  71.2 60.62 135 top
L80  2.2nH_0603_LQW  [SMD0603]  70.33 58.68 225 top
L81  12nH_0603_Murata_LQW  [SMD0603]  78.11 61.38 180 top
L82  4.5nH_0604  [SMD0604]  88.57 60.68 180 top
L83  33nH_0402_LQG15HS33NJ02D  [SMD0402]  67.42 102.27 270 top
L84  5.1nH_0402_LQG15HS5N1S02D  [SMD0402]  65.82 108.92 270 top
L85  12nH_0402_LQG15HS12NH02D  [SMD0402]  69.64 103.03 315 top
L86  5.1nH_0402_LQG15HS5N1S02D  [SMD0402]  67.98 109.72 315 top
P1  -  [FAN_CONN_3]  118 48.76 270 bottom
P4  CONN_1  [Fiducial]  132.3 156.3 0 top
P4#2  CONN_1  [Fiducial]  2.5 156.6 0 top
P4#3  CONN_1  [Fiducial]  2.8 2.9 0 top
P4#4  CONN_1  [Fiducial]  11.49 131.96 0 top
P4#5  CONN_1  [Fiducial]  26.33 37.02 0 top
P4#6  CONN_1  [Fiducial]  106.26 94.3 0 top
Q1  -  [BSN20]  11.57 19.21 90 top
Q2  -  [BSN20]  15.83 19.27 0 top
Q3  BC847  [BC817_SOT-23]  12.02 68.8 0 bottom
Q4  BC847  [BC817_SOT-23]  12.34 77.76 0 bottom
Q5  BC847  [BC817_SOT-23]  17.35 73 0 bottom
Q6  BC847  [BC817_SOT-23]  17.35 64.23 0 bottom
Q7  -  [BSN20]  15.39 24.67 90 top
Q8  -  [BSN20]  19.7 24.61 0 top
R1  330R_0603  [SMD0603]  121.71 45.72 90 top
R2  2k2_0402  [SMD0402]  22.37 24.48 0 top
R3  0R_0402  [SMD0402]  31.69 132.2 180 top
R4  0R_0402  [SMD0402]  17.24 15.87 90 bottom
R5  0R_0603  [SMD0603]  116.76 119.43 90 top
R6  0R_0603  [SMD0603]  114.45 112.21 225 top
R7  0R_0603  [SMD0603]  105.9 61.79 180 top
R8  0R_0603  [SMD0603]  106.22 42.24 180 bottom
R9  0R_0603  [SMD0603]  114.14 115.92 90 bottom
R10  0R_0603  [SMD0603]  120.36 116.43 180 top
R11  0R_0603  [SMD0603]  111.4 59.51 180 top
R12  1uF_0603_Yageo  [SMD0603]  119.87 38.49 180 top
R13  1K_0402  [SMD0402]  14.81 15.08 90 bottom
R14  1K_0402  [SMD0402]  9.48 36.55 180 bottom
R15  1K_0402  [SMD0402]  9.48 34.01 180 bottom
R16  1K_0402  [SMD0402]  15.45 35.34 90 top
